# EAGLE board ControlModule-pan2 (EAGLE 7.2.0), part 1 of 9 (continued)
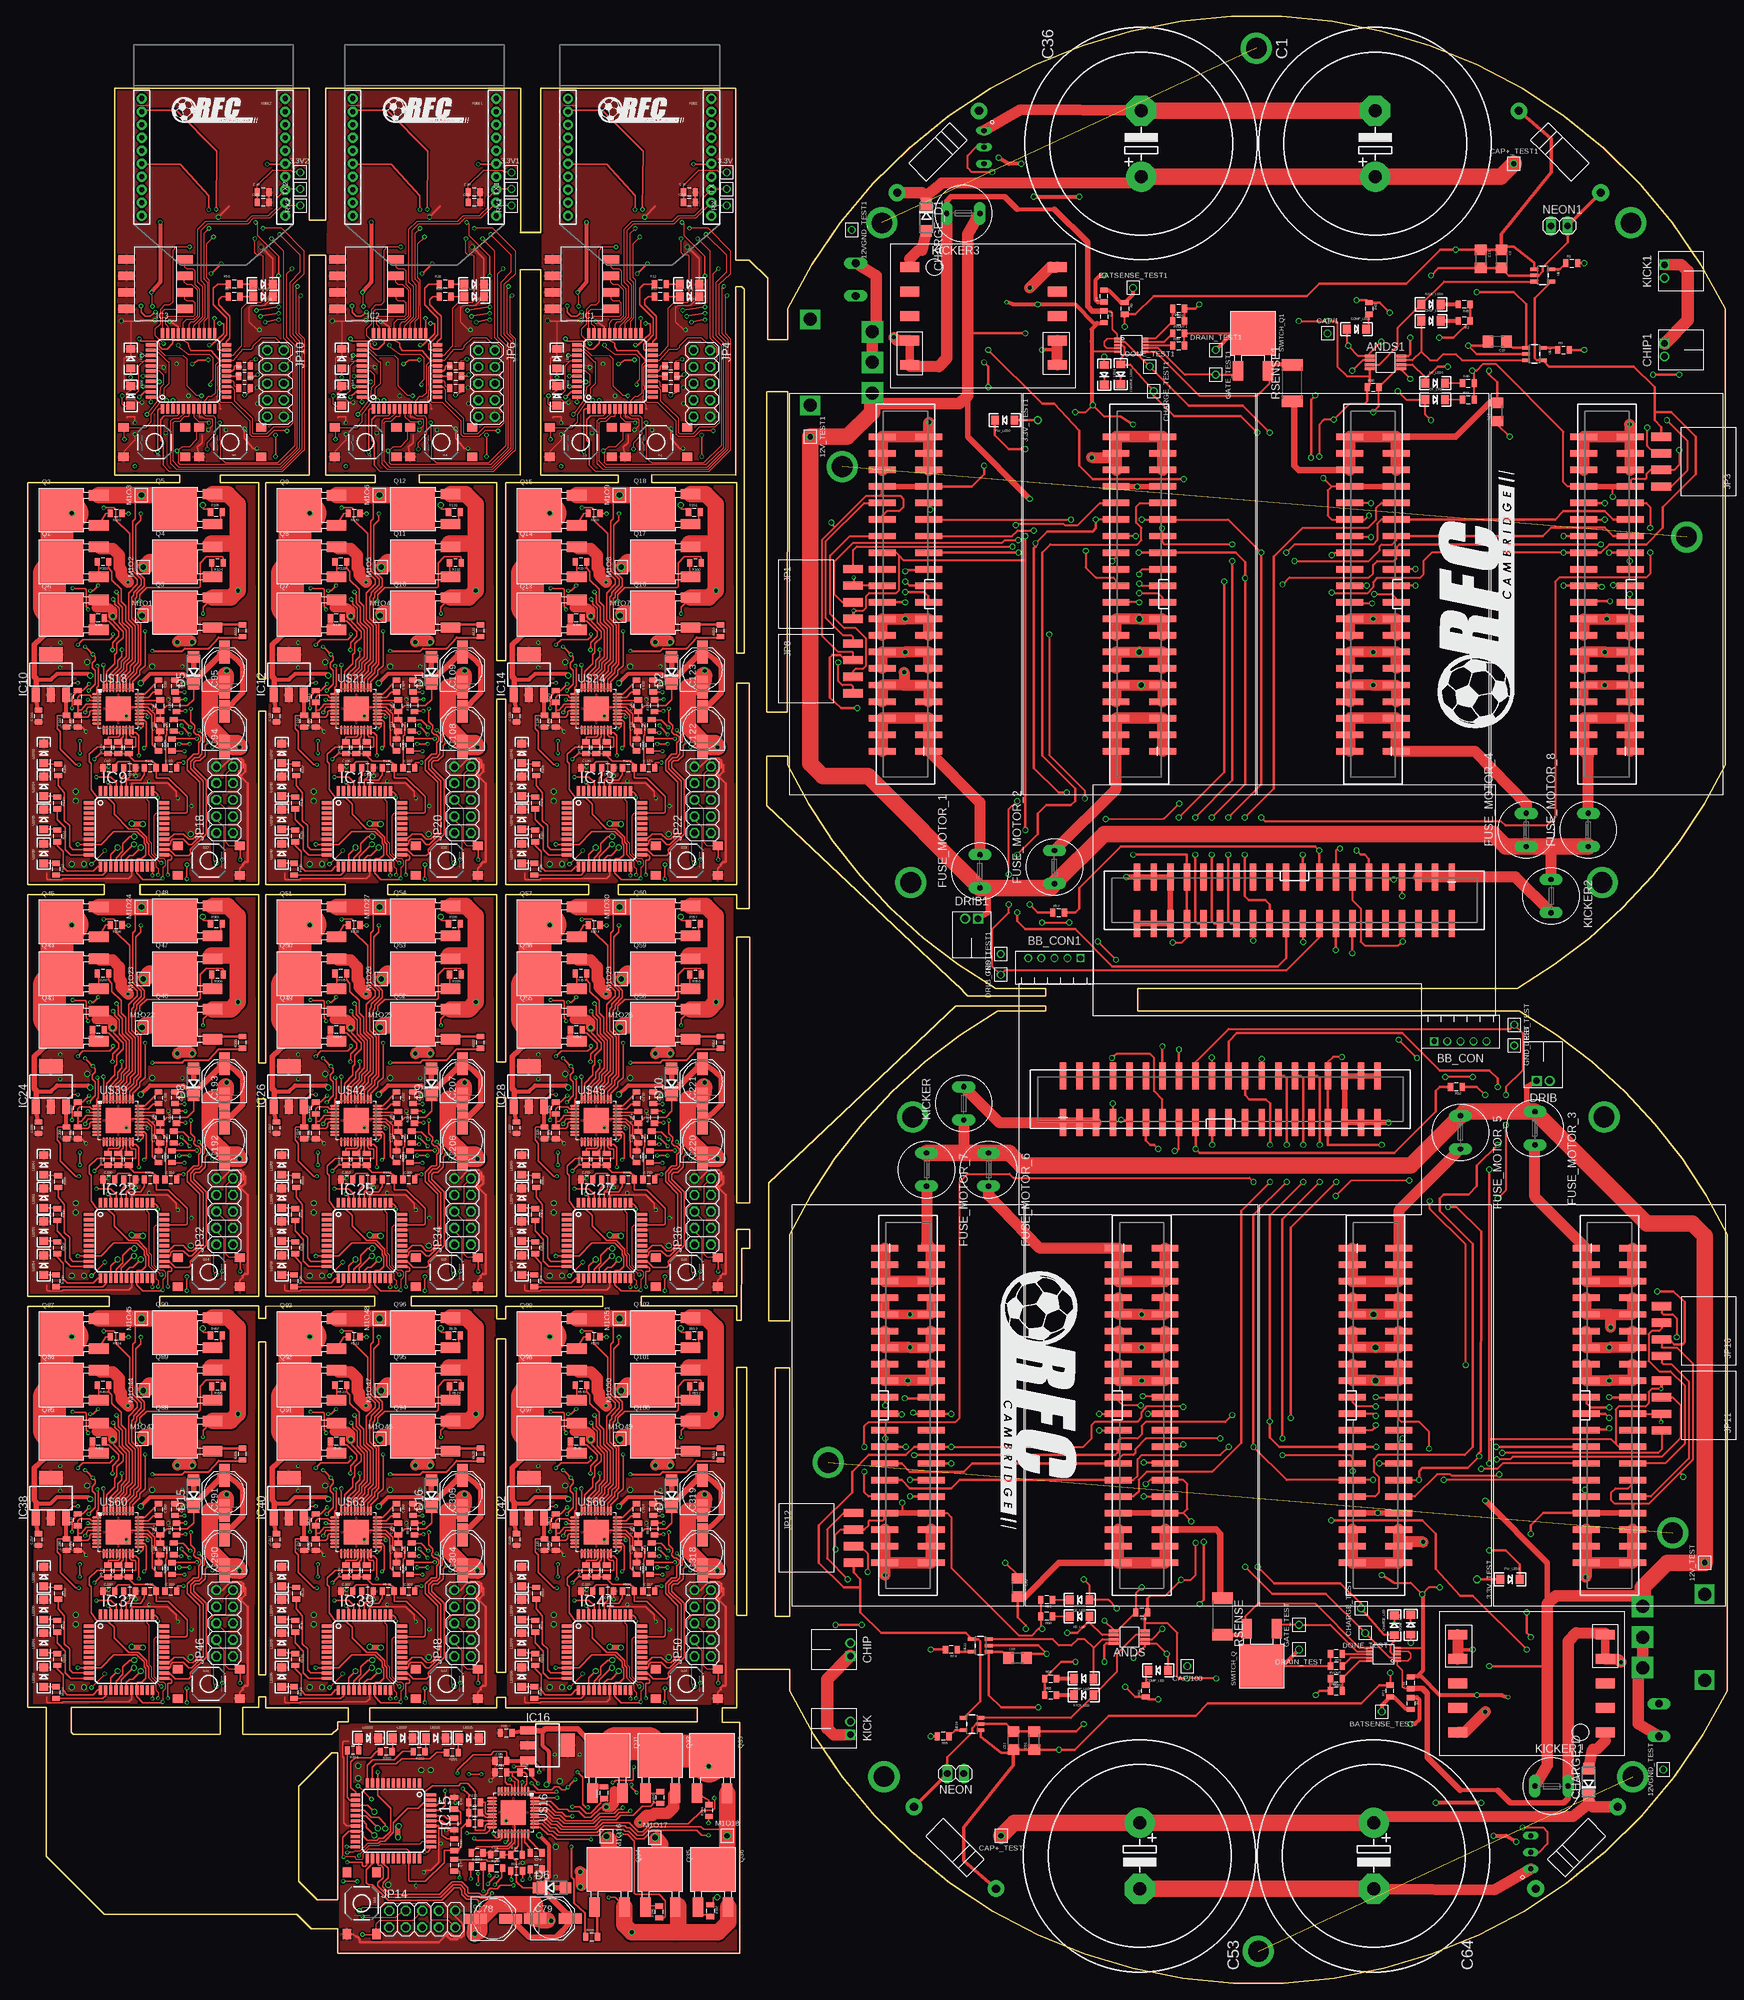
[diagram p0: board, top side]
## Placement (x,y rotation side) (continued)
COMP_LED  [LED-1206]  173.45,48.03 180 top
COMP_LED1  [LED-1206]  203.86,253.83 0 top
D1  DIODE-ZENERDO214AC  [DO214AC]  61.93,201.51 90 top
D2  DIODE-ZENERDO214AC  [DO214AC]  98.76,201.51 90 top
D5  DIODE-ZENERDO214AC  [DO214AC]  25.42,201.51 90 top
D6  DIODE-ZENERDO214AC  [DO214AC]  80.42,14.64 0 top
D8  DIODE-ZENERDO214AC  [DO214AC]  25.42,138.33 90 top
D9  DIODE-ZENERDO214AC  [DO214AC]  61.93,138.33 90 top
D10  DIODE-ZENERDO214AC  [DO214AC]  98.76,138.33 90 top
D15  DIODE-ZENERDO214AC  [DO214AC]  25.42,75.15 90 top
D16  DIODE-ZENERDO214AC  [DO214AC]  61.93,75.15 90 top
D17  DIODE-ZENERDO214AC  [DO214AC]  98.76,75.15 90 top
DONE_LED  [LED-1206]  212.18,55.01 90 top
DONE_LED1  [LED-1206]  165.13,246.85 270 top
DONE_TEST  TEST_PT  [TESTING_PT]  205.2,53.74 180 top
DONE_TEST1  TEST_PT  [TESTING_PT]  172.11,248.12 0 top
DRAIN_TEST  TEST_PT  [TESTING_PT]  195.04,51.2 180 top
DRAIN_TEST1  TEST_PT  [TESTING_PT]  182.27,250.66 0 top
DRIB  JST-22MM  [JST-2-2MM]  232.5,139.47 180 top
DRIB1  JST-22MM  [JST-2-2MM]  144.81,162.39 0 top
DRIB_TEST  TEST_PT  [TESTING_PT]  228.06,147.09 270 top
DRIB_TEST1  TEST_PT  [TESTING_PT]  149.25,154.77 90 top
DRIB_TRAN  [DPAK]  234.41,122.32 0 bottom
DRIB_TRAN1  [DPAK]  142.9,179.54 180 bottom
FUSE_MOTOR_1  [TR5]  146.08,170.65 90 top
FUSE_MOTOR_2  [TR5]  157.51,171.28 90 top
FUSE_MOTOR_3  [TR5]  231.23,131.21 270 top
FUSE_MOTOR_4  [TR5]  229.9,177 90 top
FUSE_MOTOR_5  [TR5]  219.8,130.58 270 top
FUSE_MOTOR_6  [TR5]  147.41,124.86 270 top
FUSE_MOTOR_7  [TR5]  137.89,124.86 270 top
FUSE_MOTOR_8  [TR5]  239.42,177 90 top
GATE_TEST  TEST_PT  [TESTING_PT]  195.04,55.01 90 top
GATE_TEST1  TEST_PT  [TESTING_PT]  182.27,246.85 270 top
GND_TEST  TEST_PT  [TESTING_PT]  228.06,143.91 270 top
GND_TEST1  TEST_PT  [TESTING_PT]  149.25,157.95 90 top
IC1  XMEGA16A4A  [TQFP44]  90.07,247.42 90 top
IC2  XMEGA16A4A  [TQFP44]  57.05,247.42 90 top
IC3  XMEGA16A4A  [TQFP44]  24.67,247.42 90 top
IC9  XMEGA16A4A  [TQFP44]  15.13,177.17 0 top
IC10  3.3V REG  [SOT223]  3.54,200.82 0 top
IC11  XMEGA16A4A  [TQFP44]  51.64,177.17 0 top
IC12  3.3V REG  [SOT223]  40.05,200.82 0 top
IC13  XMEGA16A4A  [TQFP44]  88.47,177.17 0 top
IC14  3.3V REG  [SOT223]  76.88,200.82 0 top
IC15  XMEGA16A4A  [TQFP44]  56.08,24.93 270 top
IC16  3.3V REG  [SOT223]  79.73,36.52 270 top
IC23  XMEGA16A4A  [TQFP44]  15.13,113.99 0 top
IC24  3.3V REG  [SOT223]  3.54,137.64 0 top
IC25  XMEGA16A4A  [TQFP44]  51.64,113.99 0 top
IC26  3.3V REG  [SOT223]  40.05,137.64 0 top
IC27  XMEGA16A4A  [TQFP44]  88.47,113.99 0 top
IC28  3.3V REG  [SOT223]  76.88,137.64 0 top
IC37  XMEGA16A4A  [TQFP44]  15.13,50.8 0 top
IC38  3.3V REG  [SOT223]  3.54,74.46 0 top
IC39  XMEGA16A4A  [TQFP44]  51.64,50.8 0 top
IC40  3.3V REG  [SOT223]  40.05,74.46 0 top
IC41  XMEGA16A4A  [TQFP44]  88.47,50.8 0 top
IC42  3.3V REG  [SOT223]  76.88,74.46 0 top
JP1  [1X04_SMD_RA_FEMALE]  119.41,213.19 270 top
JP2  M20X2SHROUDED_SMT  [2X20_SHROUDED_SMT]  93.88,261.39 0 bottom
JP3  [1X04_SMD_RA_FEMALE]  257.84,233.51 90 top
JP4  DEBUG  [2X05]  103.41,245.51 270 top
JP5  M20X2SHROUDED_SMT  [2X20_SHROUDED_SMT]  60.86,261.39 0 bottom
JP6  DEBUG  [2X05]  70.39,245.51 270 top
JP7  [1X04_SMD_RA_FEMALE]  255.93,193.51 270 bottom
JP8  [1X04_SMD_RA_FEMALE]  119.41,201.76 270 top
JP9  M20X2SHROUDED_SMT  [2X20_SHROUDED_SMT]  28.48,261.39 0 bottom
JP10  DEBUG  [2X05]  38,245.51 270 top
JP11  [1X04_SMD_RA_FEMALE]  257.9,88.67 90 top
JP12  [1X04_SMD_RA_FEMALE]  119.47,68.35 270 top
JP13  M20X2SHROUDED_SMT  [2X20_SHROUDED_SMT]  78.46,23.34 90 bottom
JP14  DEBUG  [2X05]  60.52,9.85 0 top
JP15  [1X04_SMD_RA_FEMALE]  121.38,108.35 90 bottom
JP16  [1X04_SMD_RA_FEMALE]  257.9,100.1 90 top
JP17  M20X2SHROUDED_SMT  [2X20_SHROUDED_SMT]  16.72,199.55 0 bottom
JP18  DEBUG  [2X05]  30.21,181.61 90 top
JP19  M20X2SHROUDED_SMT  [2X20_SHROUDED_SMT]  53.23,199.55 0 bottom
JP20  DEBUG  [2X05]  66.72,181.61 90 top
JP21  M20X2SHROUDED_SMT  [2X20_SHROUDED_SMT]  90.06,199.55 0 bottom
JP22  DEBUG  [2X05]  103.55,181.61 90 top
JP31  M20X2SHROUDED_SMT  [2X20_SHROUDED_SMT]  16.72,136.37 0 bottom
JP32  DEBUG  [2X05]  30.21,118.43 90 top
JP33  M20X2SHROUDED_SMT  [2X20_SHROUDED_SMT]  53.23,136.37 0 bottom
JP34  DEBUG  [2X05]  66.72,118.43 90 top
JP35  M20X2SHROUDED_SMT  [2X20_SHROUDED_SMT]  90.06,136.37 0 bottom
JP36  DEBUG  [2X05]  103.55,118.43 90 top
JP45  M20X2SHROUDED_SMT  [2X20_SHROUDED_SMT]  16.72,73.19 0 bottom
JP46  DEBUG  [2X05]  30.21,55.25 90 top
JP47  M20X2SHROUDED_SMT  [2X20_SHROUDED_SMT]  53.23,73.19 0 bottom
JP48  DEBUG  [2X05]  66.72,55.25 90 top
JP49  M20X2SHROUDED_SMT  [2X20_SHROUDED_SMT]  90.06,73.19 0 bottom
JP50  DEBUG  [2X05]  103.55,55.25 90 top
KE_LED  [LED-1206]  161.38,56.28 180 top
KE_LED1  [LED-1206]  215.93,245.58 0 top
KICK  JST-22MM  [JST-2-2MM]  125.19,39.14 270 top
KICK1  JST-22MM  [JST-2-2MM]  252.12,262.72 90 top
KICK_FLY  DIODE-ZENERDO214AB  [DO214AB]  139.16,44.85 180 bottom
KICK_FLY1  DIODE-ZENERDO214AB  [DO214AB]  238.15,257.01 0 bottom
KICK_LED  [LED-1206]  162.02,44.22 180 top
KICK_LED1  [LED-1206]  215.29,257.64 0 top
KICK_Q  [DPAK]  133.44,42.95 270 bottom
KICK_Q1  [DPAK]  132.17,56.92 270 bottom
KICK_Q2  [DPAK]  243.87,258.91 90 bottom
KICK_Q3  [DPAK]  245.14,244.94 90 bottom
KICKER  [TR5]  143.6,135.02 90 top
KICKER1  [TR5]  233.77,30.25 0 top
KICKER2  [TR5]  233.71,166.84 270 top
KICKER3  [TR5]  143.54,271.61 180 top
LED1  [LED-1206]  81.18,243.61 90 top
LED2  [LED-1206]  101.5,260.75 0 top
LED3  [LED-1206]  101.5,258.85 0 top
LED4  [LED-1206]  48.16,243.61 90 top
LED5  [LED-1206]  68.48,260.75 0 top
LED6  [LED-1206]  68.48,258.85 0 top
LED7  [LED-1206]  48.16,249.32 90 top
LED8  [LED-1206]  15.78,243.61 90 top
LED9  [LED-1206]  81.18,249.32 90 top
LED10  [LED-1206]  36.1,260.75 0 top
LED11  [LED-1206]  36.1,258.85 0 top
LED12  [LED-1206]  15.78,249.32 90 top
LED25  [LED-1206]  67.67,37.63 0 top
LED26  [LED-1206]  62.59,37.63 0 top
LED27  [LED-1206]  57.51,37.63 0 top
LED28  [LED-1206]  52.27,37.63 0 top
LED33  [LED-1206]  2.43,188.76 90 top
LED34  [LED-1206]  2.43,183.68 90 top
LED35  [LED-1206]  2.43,178.6 90 top
LED36  [LED-1206]  2.43,173.36 90 top
LED37  [LED-1206]  38.94,188.76 90 top
LED38  [LED-1206]  38.94,183.68 90 top
LED39  [LED-1206]  38.94,178.6 90 top
LED40  [LED-1206]  38.94,173.36 90 top
LED41  [LED-1206]  75.77,188.76 90 top
LED42  [LED-1206]  75.77,183.68 90 top
LED43  [LED-1206]  75.77,178.6 90 top
LED44  [LED-1206]  75.77,173.36 90 top
LED61  [LED-1206]  2.43,125.57 90 top
LED62  [LED-1206]  2.43,120.49 90 top
LED63  [LED-1206]  2.43,115.41 90 top
LED64  [LED-1206]  2.43,110.18 90 top
LED65  [LED-1206]  38.94,125.57 90 top
LED66  [LED-1206]  38.94,120.49 90 top
LED67  [LED-1206]  38.94,115.41 90 top
LED68  [LED-1206]  38.94,110.18 90 top
LED69  [LED-1206]  75.77,125.57 90 top
LED70  [LED-1206]  75.77,120.49 90 top
LED71  [LED-1206]  75.77,115.41 90 top
LED72  [LED-1206]  75.77,110.18 90 top
LED89  [LED-1206]  2.43,62.39 90 top
LED90  [LED-1206]  2.43,57.31 90 top
LED91  [LED-1206]  2.43,52.23 90 top
LED92  [LED-1206]  2.43,46.99 90 top
LED93  [LED-1206]  38.94,62.39 90 top
LED94  [LED-1206]  38.94,57.31 90 top
LED95  [LED-1206]  38.94,52.23 90 top
LED96  [LED-1206]  38.94,46.99 90 top
LED97  [LED-1206]  75.77,62.39 90 top
LED98  [LED-1206]  75.77,57.31 90 top
LED99  [LED-1206]  75.77,52.23 90 top
LED100  [LED-1206]  75.77,46.99 90 top
M1O1  TEST_PT  [TESTING_PT]  17.51,209.87 0 top
M1O2  TEST_PT  [TESTING_PT]  17.71,217.31 90 top
M1O3  TEST_PT  [TESTING_PT]  17.43,228.37 90 top
M1O4  TEST_PT  [TESTING_PT]  54.02,209.87 0 top
M1O5  TEST_PT  [TESTING_PT]  54.22,217.31 90 top
M1O6  TEST_PT  [TESTING_PT]  53.94,228.37 90 top
M1O7  TEST_PT  [TESTING_PT]  90.85,209.87 0 top
M1O8  TEST_PT  [TESTING_PT]  91.05,217.31 90 top
M1O9  TEST_PT  [TESTING_PT]  90.77,228.37 90 top
M1O16  TEST_PT  [TESTING_PT]  88.78,22.55 270 top
M1O17  TEST_PT  [TESTING_PT]  96.22,22.35 0 top
M1O18  TEST_PT  [TESTING_PT]  107.28,22.63 0 top
M1O22  TEST_PT  [TESTING_PT]  17.51,146.69 0 top
M1O23  TEST_PT  [TESTING_PT]  17.71,154.13 90 top
M1O24  TEST_PT  [TESTING_PT]  17.43,165.18 90 top
M1O25  TEST_PT  [TESTING_PT]  54.02,146.69 0 top
M1O26  TEST_PT  [TESTING_PT]  54.22,154.13 90 top
M1O27  TEST_PT  [TESTING_PT]  53.94,165.18 90 top
M1O28  TEST_PT  [TESTING_PT]  90.85,146.69 0 top
M1O29  TEST_PT  [TESTING_PT]  91.05,154.13 90 top
M1O30  TEST_PT  [TESTING_PT]  90.77,165.18 90 top
M1O43  TEST_PT  [TESTING_PT]  17.51,83.51 0 top
M1O44  TEST_PT  [TESTING_PT]  17.71,90.95 90 top
M1O45  TEST_PT  [TESTING_PT]  17.43,102 90 top
M1O46  TEST_PT  [TESTING_PT]  54.02,83.51 0 top
M1O47  TEST_PT  [TESTING_PT]  54.22,90.95 90 top
M1O48  TEST_PT  [TESTING_PT]  53.94,102 90 top
M1O49  TEST_PT  [TESTING_PT]  90.85,83.51 0 top
M1O50  TEST_PT  [TESTING_PT]  91.05,90.95 90 top
M1O51  TEST_PT  [TESTING_PT]  90.77,102 90 top
MOTOR1  M20X2SHROUDED_SMT  [2X20_SHROUDED_SMT]  242.66,88.67 0 top
MOTOR2  M20X2SHROUDED_SMT  [2X20_SHROUDED_SMT]  206.78,88.67 0 top
MOTOR3  M20X2SHROUDED_SMT  [2X20_SHROUDED_SMT]  170.91,88.67 0 top
MOTOR4  M20X2SHROUDED_SMT  [2X20_SHROUDED_SMT]  135.03,88.67 0 top
MOTOR5  M20X2SHROUDED_SMT  [2X20_SHROUDED_SMT]  134.65,213.19 180 top
MOTOR6  M20X2SHROUDED_SMT  [2X20_SHROUDED_SMT]  170.53,213.19 180 top
MOTOR7  M20X2SHROUDED_SMT  [2X20_SHROUDED_SMT]  206.4,213.19 180 top
MOTOR8  M20X2SHROUDED_SMT  [2X20_SHROUDED_SMT]  242.28,213.19 180 top
NEON  [1X02]  142.33,32.15 180 top
NEON1  [1X02]  234.98,269.71 0 top
ON/OFF  SPDT-SWITCH  [CK_SWITCH]  247.74,53.11 270 bottom
ON/OFF1  SPDT-SWITCH  [CK_SWITCH]  129.57,248.75 90 bottom
PW_LED1  [LED-1206]  227.42,62 0 top
PW_LED2  [LED-1206]  149.89,239.86 180 top
Q1  [DPAK]  5.13,218.13 0 top
Q2  [DPAK]  5.13,226.06 0 top
Q3  [DPAK]  22.59,210.35 0 top
Q4  [DPAK]  22.59,218.13 0 top
Q5  [DPAK]  22.59,226.22 0 top
Q6  [DPAK]  5.13,210.03 0 top
Q7  [DPAK]  41.64,210.03 0 top
Q8  [DPAK]  41.64,218.13 0 top
Q9  [DPAK]  41.64,226.06 0 top
Q10  [DPAK]  59.1,210.35 0 top
Q11  [DPAK]  59.1,218.13 0 top
Q12  [DPAK]  59.1,226.22 0 top
Q13  [DPAK]  78.47,210.03 0 top
Q14  [DPAK]  78.47,218.13 0 top
Q15  [DPAK]  78.47,226.06 0 top
Q16  [DPAK]  95.93,210.35 0 top
Q17  [DPAK]  95.93,218.13 0 top
Q18  [DPAK]  95.93,226.22 0 top
Q31  [DPAK]  88.94,34.93 270 top
Q32  [DPAK]  97.04,34.93 270 top
Q33  [DPAK]  104.97,34.93 270 top
Q34  [DPAK]  89.26,17.47 270 top
Q35  [DPAK]  97.04,17.47 270 top
Q36  [DPAK]  105.13,17.47 270 top
Q43  [DPAK]  5.13,146.85 0 top
Q44  [DPAK]  5.13,154.94 0 top
Q45  [DPAK]  5.13,162.88 0 top
Q46  [DPAK]  22.59,147.16 0 top
Q47  [DPAK]  22.59,154.94 0 top
Q48  [DPAK]  22.59,163.04 0 top
Q49  [DPAK]  41.64,146.85 0 top
Q50  [DPAK]  41.64,154.94 0 top
Q51  [DPAK]  41.64,162.88 0 top
Q52  [DPAK]  59.1,147.16 0 top
Q53  [DPAK]  59.1,154.94 0 top
Q54  [DPAK]  59.1,163.04 0 top
Q55  [DPAK]  78.47,146.85 0 top
Q56  [DPAK]  78.47,154.94 0 top
Q57  [DPAK]  78.47,162.88 0 top
Q58  [DPAK]  95.93,147.16 0 top
Q59  [DPAK]  95.93,154.94 0 top
Q60  [DPAK]  95.93,163.04 0 top
Q85  [DPAK]  5.13,83.66 0 top
Q86  [DPAK]  5.13,91.76 0 top
Q87  [DPAK]  5.13,99.7 0 top
Q88  [DPAK]  22.59,83.98 0 top
Q89  [DPAK]  22.59,91.76 0 top
Q90  [DPAK]  22.59,99.86 0 top
Q91  [DPAK]  41.64,83.66 0 top
Q92  [DPAK]  41.64,91.76 0 top
Q93  [DPAK]  41.64,99.7 0 top
Q94  [DPAK]  59.1,83.98 0 top
Q95  [DPAK]  59.1,91.76 0 top
Q96  [DPAK]  59.1,99.86 0 top
Q97  [DPAK]  78.47,83.66 0 top
Q98  [DPAK]  78.47,91.76 0 top
Q99  [DPAK]  78.47,99.7 0 top
Q100  [DPAK]  95.93,83.98 0 top
Q101  [DPAK]  95.93,91.76 0 top
Q102  [DPAK]  95.93,99.86 0 top
R1  100  [0805]  236.88,263.99 0 top
R2  1k  [0805]  220.37,255.1 180 top
R3  1k  [0805]  167.67,243.04 270 bottom
R4  1k  [0805]  165.13,243.04 270 bottom
R5  10k  [0805]  81.82,238.53 0 bottom
R6  80k  [0805]  168.3,257.01 270 top
R7  20k  [0805]  165.13,258.91 90 top
R8  20  [0805]  155.6,160.49 270 bottom
R9  100  [0805]  235.61,250.66 0 top
R10  1k  [0805]  81.18,247.42 180 bottom
R11  1k  [0805]  81.18,244.88 180 bottom
R12  1k  [0805]  97.06,260.75 180 top
R13  100  [0805]  160.05,160.49 270 bottom
R14  1M  [0805]  210.21,263.99 90 bottom
R15  10K  [0805]  210.21,260.18 90 bottom
R16  1k  [0805]  150.52,234.78 270 bottom
R17  1k  [0805]  97.06,258.85 180 top
R18  4.7k  [0805]  98.64,246.62 0 top
R19  4.7k  [0805]  98.64,244.8 0 top
R20  4.7k  [0805]  98.64,248.21 0 top
R21  4.7k  [0805]  88.8,233.92 0 bottom
R22  10k  [0805]  82.45,234.08 180 bottom
R23  80.6k  [0805]  86.26,244.69 0 bottom
R24  20k  [0805]  86.26,247.17 180 bottom
R25  10k  [0805]  48.8,238.53 0 bottom
R26  1k  [0805]  48.16,247.42 180 bottom
R27  1k  [0805]  48.16,244.88 180 bottom
R28  1k  [0805]  64.04,260.75 180 top
R29  1k  [0805]  64.04,258.85 180 top
R30  4.7k  [0805]  65.62,246.62 0 top
R31  4.7k  [0805]  65.62,244.8 0 top
R32  4.7k  [0805]  65.62,248.21 0 top
R33  4.7k  [0805]  55.78,233.92 0 bottom
R34  10k  [0805]  49.43,234.08 180 bottom
R35  80.6k  [0805]  53.24,244.69 0 bottom
R36  20k  [0805]  53.24,247.17 180 bottom
R37  536k  [0805]  232.44,265.9 270 bottom
R38  10k  [0805]  206.4,244.94 0 top
R39  43k  [0805]  176.56,251.29 0 top
R40  1k  [0805]  221.01,245.58 0 top
R41  1k  [0805]  221.01,243.04 0 top
R42  1k  [0805]  205.77,257.01 270 top
R43  100k  [0805]  201.32,249.39 0 bottom
R44  3k  [0805]  199.42,247.48 0 bottom
R45  1k  [0805]  220.37,257.64 180 top
R46  250k  [0805]  149.89,277.33 0 bottom
R47  2.5k  [0805]  149.89,282.41 0 bottom
R48  1k  [0805]  149.89,278.91 180 bottom
R49  200  [0805]  149.89,275.74 180 bottom
R50  1.5k  [0805]  147.35,265.9 180 bottom
R51  300  [0805]  146.08,253.83 90 bottom
R52  1k  [0805]  158.14,164.3 0 top
R53  10k  [0805]  16.41,238.53 0 bottom
R54  1k  [0805]  15.78,247.42 180 bottom
R55  1k  [0805]  15.78,244.88 180 bottom
R56  1k  [0805]  31.65,260.75 180 top
R57  1k  [0805]  31.65,258.85 180 top
R58  4.7k  [0805]  33.24,246.62 0 top
R59  4.7k  [0805]  33.24,244.8 0 top
R60  4.7k  [0805]  33.24,248.21 0 top
R61  4.7k  [0805]  23.4,233.92 0 bottom
R62  10k  [0805]  17.05,234.08 180 bottom
R63  80.6k  [0805]  20.86,244.69 0 bottom
R64  20k  [0805]  20.85,247.17 180 bottom
R65  100  [0805]  140.43,37.87 180 top
R66  1k  [0805]  156.94,46.76 0 top
R67  1k  [0805]  209.64,58.82 90 bottom
R68  1k  [0805]  212.18,58.82 90 bottom
R69  1M  [0805]  167.1,37.87 270 bottom
R70  10K  [0805]  167.1,41.68 270 bottom
R71  80k  [0805]  209.01,44.85 90 top
R72  20k  [0805]  212.18,42.95 270 top
R73  20  [0805]  221.71,141.37 90 bottom
R74  100  [0805]  141.7,51.2 180 top
R75  100  [0805]  217.26,141.37 90 bottom
R76  1k  [0805]  226.79,67.08 90 bottom
R77  536k  [0805]  144.87,35.96 90 bottom
R78  10k  [0805]  170.91,56.92 180 top
R79  43k  [0805]  200.75,50.57 180 top
R80  1k  [0805]  156.3,56.28 180 top
R81  1k  [0805]  156.3,58.82 180 top
R82  1k  [0805]  171.54,44.85 90 top
R83  100k  [0805]  175.99,52.47 180 bottom
R84  3k  [0805]  177.89,54.38 180 bottom
R85  1k  [0805]  156.94,44.22 0 top
R86  250k  [0805]  227.42,24.53 180 bottom
R87  2.5k  [0805]  227.42,19.45 180 bottom
R88  1k  [0805]  227.42,22.95 0 bottom
R89  200  [0805]  227.42,26.12 0 bottom
R90  1.5k  [0805]  229.96,35.96 0 bottom
R91  300  [0805]  231.23,48.03 270 bottom
R92  1k  [0805]  219.17,137.56 180 top
R97  4.7k  [0805]  24.97,185.42 0 bottom
R98  4.7k  [0805]  24.97,183.52 0 bottom
R99  4.7k  [0805]  24.97,181.61 0 bottom
R100  240  [0805]  10.81,209.51 180 top
R101  240  [0805]  11.53,218.14 180 top
R102  240  [0805]  13.54,225.59 180 top
R103  240  [0805]  32.94,207.58 90 top
R104  240  [0805]  29.1,217.97 180 top
R105  240  [0805]  28.91,225.77 0 top
R106  1k  [0805]  22.38,193.04 90 top
R107  1k  [0805]  22.11,190.03 90 top
R108  10k  [0805]  18.78,186.53 0 top
R109  1k  [0805]  4.65,186.22 270 top
R110  1k  [0805]  4.49,181.14 270 top
R111  1k  [0805]  4.49,176.06 270 top
R112  1k  [0805]  4.33,170.98 270 top
R113  30k  [0805]  13.87,189.62 90 top
R114  10k  [0805]  8.46,215.27 180 bottom
R115  10k  [0805]  8.46,212.73 180 bottom
R116  10k  [0805]  8.46,217.49 180 bottom
R117  10k  [0805]  26.82,171.98 0 bottom
R118  30k  [0805]  15.47,189.62 90 top
R119  15k  [0805]  12.3,189.62 90 top
R120  1k  [0805]  22.81,196.07 90 top
R121  4.7k  [0805]  24.97,179.71 0 bottom
R122  2K  [0805]  7.67,193.68 90 top
R123  2K  [0805]  7.67,197.49 90 top
R124  0.05  [R2512]  31.77,208.39 90 bottom
R125  4.7k  [0805]  61.48,185.42 0 bottom
R126  4.7k  [0805]  61.48,183.52 0 bottom
R127  4.7k  [0805]  61.48,181.61 0 bottom
R128  240  [0805]  47.32,209.51 180 top
R129  240  [0805]  48.04,218.14 180 top
R130  240  [0805]  50.05,225.59 180 top
R131  240  [0805]  69.46,207.58 90 top
R132  240  [0805]  65.61,217.97 180 top
R133  240  [0805]  65.43,225.77 0 top
R134  1k  [0805]  58.89,193.04 90 top
R135  1k  [0805]  58.63,190.03 90 top
R136  10k  [0805]  55.29,186.53 0 top
R137  1k  [0805]  41.16,186.22 270 top
R138  1k  [0805]  41,181.14 270 top
R139  1k  [0805]  41,176.06 270 top
R140  1k  [0805]  40.85,170.98 270 top
R141  30k  [0805]  50.38,189.62 90 top
R142  10k  [0805]  44.97,215.27 180 bottom
R143  10k  [0805]  44.97,212.73 180 bottom
R144  10k  [0805]  44.97,217.49 180 bottom
R145  10k  [0805]  63.33,171.98 0 bottom
R146  30k  [0805]  51.98,189.62 90 top
R147  15k  [0805]  48.82,189.62 90 top
R148  1k  [0805]  59.32,196.07 90 top
R149  4.7k  [0805]  61.48,179.71 0 bottom
R150  2K  [0805]  44.18,193.68 90 top
R151  2K  [0805]  44.18,197.49 90 top
R152  0.05  [R2512]  68.28,208.39 90 bottom
R153  4.7k  [0805]  98.31,185.42 0 bottom
R154  4.7k  [0805]  98.31,183.52 0 bottom
R155  4.7k  [0805]  98.31,181.61 0 bottom
R156  240  [0805]  84.15,209.51 180 top
R157  240  [0805]  84.87,218.14 180 top
R158  240  [0805]  86.88,225.59 180 top
R159  240  [0805]  106.29,207.58 90 top
R160  240  [0805]  102.44,217.97 180 top
R161  240  [0805]  102.26,225.77 0 top
R162  1k  [0805]  95.72,193.04 90 top
R163  1k  [0805]  95.46,190.03 90 top
R164  10k  [0805]  92.12,186.53 0 top
R165  1k  [0805]  77.99,186.22 270 top
R166  1k  [0805]  77.83,181.14 270 top
R167  1k  [0805]  77.83,176.06 270 top
R168  1k  [0805]  77.68,170.98 270 top
R169  30k  [0805]  87.21,189.62 90 top
R170  10k  [0805]  81.8,215.27 180 bottom
R171  10k  [0805]  81.8,212.73 180 bottom
R172  10k  [0805]  81.8,217.49 180 bottom
R173  10k  [0805]  100.16,171.98 0 bottom
R174  30k  [0805]  88.81,189.62 90 top
R175  15k  [0805]  85.65,189.62 90 top
R176  1k  [0805]  96.15,196.07 90 top
R177  4.7k  [0805]  98.31,179.71 0 bottom
R178  2K  [0805]  81.01,193.68 90 top
R179  2K  [0805]  81.01,197.49 90 top
R180  0.05  [R2512]  105.11,208.39 90 bottom
R189  4.7k  [0805]  64.33,15.08 90 bottom
R190  4.7k  [0805]  62.43,15.08 90 bottom
R191  4.7k  [0805]  60.52,15.08 90 bottom
R192  240  [0805]  88.42,29.25 90 top
R193  240  [0805]  97.05,28.53 90 top
R194  240  [0805]  104.5,26.51 90 top
R195  240  [0805]  86.49,7.11 0 top
R196  240  [0805]  96.88,10.96 90 top
R197  240  [0805]  104.68,11.14 270 top
R198  1k  [0805]  71.95,17.68 0 top
R199  1k  [0805]  68.94,17.94 0 top
R200  10k  [0805]  65.45,21.28 270 top
R201  1k  [0805]  65.13,35.4 180 top
R202  1k  [0805]  60.05,35.56 180 top
R203  1k  [0805]  54.97,35.56 180 top
R204  1k  [0805]  49.89,35.72 180 top
R205  30k  [0805]  68.54,26.19 0 top
R206  10k  [0805]  94.18,31.59 270 bottom
R207  10k  [0805]  91.64,31.59 270 bottom
R208  10k  [0805]  96.4,31.59 270 bottom
R209  10k  [0805]  50.89,13.24 90 bottom
R210  30k  [0805]  68.54,24.59 0 top
R211  15k  [0805]  68.54,27.75 0 top
R212  1k  [0805]  74.98,17.25 0 top
R213  4.7k  [0805]  58.62,15.08 90 bottom
R214  2K  [0805]  72.59,32.39 0 top
R215  2K  [0805]  76.4,32.39 0 top
R216  0.05  [R2512]  87.3,8.29 180 bottom
R293  4.7k  [0805]  24.97,122.24 0 bottom
R294  4.7k  [0805]  24.97,120.34 0 bottom
R295  4.7k  [0805]  24.97,118.43 0 bottom
R296  240  [0805]  10.81,146.32 180 top
R297  240  [0805]  11.53,154.96 180 top
R298  240  [0805]  13.54,162.4 180 top
R299  240  [0805]  32.94,144.4 90 top
R300  240  [0805]  29.1,154.78 180 top
R301  240  [0805]  28.91,162.59 0 top
R302  1k  [0805]  22.38,129.86 90 top
R303  1k  [0805]  22.11,126.84 90 top
R304  10k  [0805]  18.78,123.35 0 top
R305  1k  [0805]  4.65,123.03 270 top
R306  1k  [0805]  4.49,117.95 270 top
R307  1k  [0805]  4.49,112.87 270 top
R308  1k  [0805]  4.33,107.79 270 top
R309  30k  [0805]  13.87,126.44 90 top
R310  10k  [0805]  8.46,152.09 180 bottom
R311  10k  [0805]  8.46,149.55 180 bottom
R312  10k  [0805]  8.46,154.31 180 bottom
R313  10k  [0805]  26.82,108.8 0 bottom
R314  30k  [0805]  15.47,126.44 90 top
R315  15k  [0805]  12.3,126.44 90 top
R316  1k  [0805]  22.81,132.89 90 top
R317  4.7k  [0805]  24.97,116.53 0 bottom
R318  2K  [0805]  7.67,130.5 90 top
R319  2K  [0805]  7.67,134.31 90 top
R320  0.05  [R2512]  31.77,145.21 90 bottom
R321  4.7k  [0805]  61.48,122.24 0 bottom
R322  4.7k  [0805]  61.48,120.34 0 bottom
R323  4.7k  [0805]  61.48,118.43 0 bottom
R324  240  [0805]  47.32,146.32 180 top
R325  240  [0805]  48.04,154.96 180 top
R326  240  [0805]  50.05,162.4 180 top
R327  240  [0805]  69.46,144.4 90 top
R328  240  [0805]  65.61,154.78 180 top
R329  240  [0805]  65.43,162.59 0 top
R330  1k  [0805]  58.89,129.86 90 top
R331  1k  [0805]  58.63,126.84 90 top
R332  10k  [0805]  55.29,123.35 0 top
R333  1k  [0805]  41.16,123.03 270 top
R334  1k  [0805]  41,117.95 270 top
R335  1k  [0805]  41,112.87 270 top
R336  1k  [0805]  40.85,107.79 270 top
R337  30k  [0805]  50.38,126.44 90 top
R338  10k  [0805]  44.97,152.09 180 bottom
R339  10k  [0805]  44.97,149.55 180 bottom
R340  10k  [0805]  44.97,154.31 180 bottom
R341  10k  [0805]  63.33,108.8 0 bottom
R342  30k  [0805]  51.98,126.44 90 top
R343  15k  [0805]  48.82,126.44 90 top
R344  1k  [0805]  59.32,132.89 90 top
R345  4.7k  [0805]  61.48,116.53 0 bottom
R346  2K  [0805]  44.18,130.5 90 top
R347  2K  [0805]  44.18,134.31 90 top
R348  0.05  [R2512]  68.28,145.21 90 bottom
R349  4.7k  [0805]  98.31,122.24 0 bottom
R350  4.7k  [0805]  98.31,120.34 0 bottom
R351  4.7k  [0805]  98.31,118.43 0 bottom
R352  240  [0805]  84.15,146.32 180 top
R353  240  [0805]  84.87,154.96 180 top
R354  240  [0805]  86.88,162.4 180 top
R355  240  [0805]  106.29,144.4 90 top
R356  240  [0805]  102.44,154.78 180 top
R357  240  [0805]  102.26,162.59 0 top
R358  1k  [0805]  95.72,129.86 90 top
R359  1k  [0805]  95.46,126.84 90 top
R360  10k  [0805]  92.12,123.35 0 top
R361  1k  [0805]  77.99,123.03 270 top
R362  1k  [0805]  77.83,117.95 270 top
R363  1k  [0805]  77.83,112.87 270 top
R364  1k  [0805]  77.68,107.79 270 top
R365  30k  [0805]  87.21,126.44 90 top
R366  10k  [0805]  81.8,152.09 180 bottom
R367  10k  [0805]  81.8,149.55 180 bottom
R368  10k  [0805]  81.8,154.31 180 bottom
R369  10k  [0805]  100.16,108.8 0 bottom
R370  30k  [0805]  88.81,126.44 90 top
R371  15k  [0805]  85.65,126.44 90 top
R372  1k  [0805]  96.15,132.89 90 top
R373  4.7k  [0805]  98.31,116.53 0 bottom
R374  2K  [0805]  81.01,130.5 90 top
R375  2K  [0805]  81.01,134.31 90 top
R376  0.05  [R2512]  105.11,145.21 90 bottom
R489  4.7k  [0805]  24.97,59.06 0 bottom
R490  4.7k  [0805]  24.97,57.15 0 bottom
R491  4.7k  [0805]  24.97,55.25 0 bottom
R492  240  [0805]  10.81,83.14 180 top
R493  240  [0805]  11.53,91.78 180 top
R494  240  [0805]  13.54,99.22 180 top
R495  240  [0805]  32.94,81.21 90 top
R496  240  [0805]  29.1,91.6 180 top
R497  240  [0805]  28.91,99.41 0 top
R498  1k  [0805]  22.38,66.68 90 top
R499  1k  [0805]  22.11,63.66 90 top
R500  10k  [0805]  18.78,60.17 0 top
R501  1k  [0805]  4.65,59.85 270 top
R502  1k  [0805]  4.49,54.77 270 top
R503  1k  [0805]  4.49,49.69 270 top
R504  1k  [0805]  4.33,44.61 270 top
R505  30k  [0805]  13.87,63.26 90 top
R506  10k  [0805]  8.46,88.9 180 bottom
R507  10k  [0805]  8.46,86.36 180 bottom
R508  10k  [0805]  8.46,91.13 180 bottom
R509  10k  [0805]  26.82,45.62 0 bottom
R510  30k  [0805]  15.47,63.26 90 top
R511  15k  [0805]  12.3,63.26 90 top
R512  1k  [0805]  22.81,69.71 90 top
R513  4.7k  [0805]  24.97,53.34 0 bottom
R514  2K  [0805]  7.67,67.31 90 top
R515  2K  [0805]  7.67,71.12 90 top
R516  0.05  [R2512]  31.77,82.03 90 bottom
R517  4.7k  [0805]  61.48,59.06 0 bottom
R518  4.7k  [0805]  61.48,57.15 0 bottom
R519  4.7k  [0805]  61.48,55.25 0 bottom
R520  240  [0805]  47.32,83.14 180 top
R521  240  [0805]  48.04,91.78 180 top
R522  240  [0805]  50.05,99.22 180 top
R523  240  [0805]  69.46,81.21 90 top
R524  240  [0805]  65.61,91.6 180 top
R525  240  [0805]  65.43,99.41 0 top
R526  1k  [0805]  58.89,66.68 90 top
R527  1k  [0805]  58.63,63.66 90 top
R528  10k  [0805]  55.29,60.17 0 top
R529  1k  [0805]  41.16,59.85 270 top
R530  1k  [0805]  41,54.77 270 top
R531  1k  [0805]  41,49.69 270 top
R532  1k  [0805]  40.85,44.61 270 top
R533  30k  [0805]  50.38,63.26 90 top
R534  10k  [0805]  44.97,88.9 180 bottom
R535  10k  [0805]  44.97,86.36 180 bottom
R536  10k  [0805]  44.97,91.13 180 bottom
R537  10k  [0805]  63.33,45.62 0 bottom
R538  30k  [0805]  51.98,63.26 90 top
R539  15k  [0805]  48.82,63.26 90 top
R540  1k  [0805]  59.32,69.71 90 top
R541  4.7k  [0805]  61.48,53.34 0 bottom
R542  2K  [0805]  44.18,67.31 90 top
R543  2K  [0805]  44.18,71.12 90 top
R544  0.05  [R2512]  68.28,82.03 90 bottom
R545  4.7k  [0805]  98.31,59.06 0 bottom
R546  4.7k  [0805]  98.31,57.15 0 bottom
R547  4.7k  [0805]  98.31,55.25 0 bottom
R548  240  [0805]  84.15,83.14 180 top
R549  240  [0805]  84.87,91.78 180 top
R550  240  [0805]  86.88,99.22 180 top
R551  240  [0805]  106.29,81.21 90 top
R552  240  [0805]  102.44,91.6 180 top
R553  240  [0805]  102.26,99.41 0 top
R554  1k  [0805]  95.72,66.68 90 top
R555  1k  [0805]  95.46,63.66 90 top
R556  10k  [0805]  92.12,60.17 0 top
R557  1k  [0805]  77.99,59.85 270 top
R558  1k  [0805]  77.83,54.77 270 top
R559  1k  [0805]  77.83,49.69 270 top
R560  1k  [0805]  77.68,44.61 270 top
R561  30k  [0805]  87.21,63.26 90 top
R562  10k  [0805]  81.8,88.9 180 bottom
R563  10k  [0805]  81.8,86.36 180 bottom
R564  10k  [0805]  81.8,91.13 180 bottom
R565  10k  [0805]  100.16,45.62 0 bottom
R566  30k  [0805]  88.81,63.26 90 top
R567  15k  [0805]  85.65,63.26 90 top
R568  1k  [0805]  96.15,69.71 90 top
R569  4.7k  [0805]  98.31,53.34 0 bottom
R570  2K  [0805]  81.01,67.31 90 top
R571  2K  [0805]  81.01,71.12 90 top
R572  0.05  [R2512]  105.11,82.03 90 bottom
RBG  2.49k  [0805]  200.75,44.85 0 top
RBG1  2.49k  [0805]  176.56,257.01 180 top
RSENSE  10m  [R2512]  183.29,56.28 270 top
RSENSE1  10m  [R2512]  194.02,245.58 90 top
RVOUT  50.4k  [0805]  200.75,48.66 180 top
RVOUT1  50.4k  [0805]  176.56,253.2 0 top
RX  TEST_PT  [TESTING_PT]  107.22,272.82 90 top
RX1  TEST_PT  [TESTING_PT]  74.2,272.82 90 top
RX2  TEST_PT  [TESTING_PT]  41.81,272.82 90 top
S1  TAC_SWITCHSMD  [TACTILE-SWITCH-SMD]  96.45,236.5 180 top
S2  TAC_SWITCHSMD  [TACTILE-SWITCH-SMD]  51.81,236.5 180 top
S3  TAC_SWITCHSMD  [TACTILE-SWITCH-SMD]  84.83,236.5 180 top
S4  TAC_SWITCHSMD  [TACTILE-SWITCH-SMD]  63.43,236.5 180 top
S5  TAC_SWITCHSMD  [TACTILE-SWITCH-SMD]  19.43,236.5 180 top
S6  TAC_SWITCHSMD  [TACTILE-SWITCH-SMD]  31.04,236.5 180 top
S11  TAC_SWITCHSMD  [TACTILE-SWITCH-SMD]  51.22,12.29 270 top
S17  TAC_SWITCHSMD  [TACTILE-SWITCH-SMD]  27.76,172.31 0 top
S18  TAC_SWITCHSMD  [TACTILE-SWITCH-SMD]  64.28,172.31 0 top
S19  TAC_SWITCHSMD  [TACTILE-SWITCH-SMD]  101.11,172.31 0 top
S24  TAC_SWITCHSMD  [TACTILE-SWITCH-SMD]  27.76,109.12 0 top
S25  TAC_SWITCHSMD  [TACTILE-SWITCH-SMD]  64.28,109.12 0 top
S26  TAC_SWITCHSMD  [TACTILE-SWITCH-SMD]  101.11,109.12 0 top
S31  TAC_SWITCHSMD  [TACTILE-SWITCH-SMD]  27.76,45.94 0 top
S32  TAC_SWITCHSMD  [TACTILE-SWITCH-SMD]  64.28,45.94 0 top
S33  TAC_SWITCHSMD  [TACTILE-SWITCH-SMD]  101.11,45.94 0 top
SWITCH_Q  [DPAK]  189.32,48.66 90 top
SWITCH_Q1  [DPAK]  187.99,253.2 270 top
TX  TEST_PT  [TESTING_PT]  107.22,275.36 90 top
TX1  TEST_PT  [TESTING_PT]  74.2,275.36 90 top
TX2  TEST_PT  [TESTING_PT]  41.81,275.36 90 top
U$1  FAN31111  [SOT23-5]  231.17,250.02 270 top
U$2  32052-TRANSFORMER  [10-TRANSFORMER]  135.28,263.36 0 top
U$3  4-POS-DIP  [4-POS-DIP-SMD]  84.99,260.75 270 top
U$4  INDUCTOR  [0805]  84.44,238.06 270 bottom
U$5  4-POS-DIP  [4-POS-DIP-SMD]  51.97,260.75 270 top
U$6  INDUCTOR  [0805]  51.42,238.06 270 bottom
U$7  FAN31111  [SOT23-5]  232.44,262.09 270 top
U$8  IXTA3N50D2  [TO-263]  165.76,276.69 0 bottom
U$9  ZTX718  [TO92]  146.71,284.31 270 top
U$10  VO1400AEFTR  [SOP4]  146.71,257.64 0 bottom
U$11  1N4007  [THROUGH-HOLE-2]  133.38,274.79 45 top
U$12  MOTORCON  [GEN3CON]  120.04,217 270 bottom
U$13  MOTORCON  [GEN3CON]  257.2,234.15 90 bottom
U$14  MOTORCON  [GEN3CON]  256.57,208.75 90 bottom
U$15  MCP9700SMD  [SOT23-3]  87.11,34.03 90 bottom
U$16  DRV8307  [QFN40-6X6]  74.49,26.2 270 top
U$17  MCP9700SMD  [SOT23-3]  6.02,208.2 0 bottom
U$18  DRV8307  [QFN40-6X6]  13.86,195.58 0 top
U$19  INDUCTOR  [0805]  5.23,173.6 0 bottom
U$20  MCP9700SMD  [SOT23-3]  42.54,208.2 0 bottom
U$21  DRV8307  [QFN40-6X6]  50.37,195.58 0 top
U$22  INDUCTOR  [0805]  41.75,173.6 0 bottom
U$23  MCP9700SMD  [SOT23-3]  79.37,208.2 0 bottom
U$24  DRV8307  [QFN40-6X6]  87.2,195.58 0 top
U$25  INDUCTOR  [0805]  78.58,173.6 0 bottom
U$26  INDUCTOR  [0805]  52.51,34.82 90 bottom
U$27  MOTORCON  [GEN3CON]  119.85,196.68 270 bottom
U$28  13VZENER  [THROUGH-HOLE-2]  241.33,274.79 135 top
U$29  INDUCTOR  [0805]  150.07,260.51 270 bottom
U$30  4-POS-DIP  [4-POS-DIP-SMD]  19.59,260.75 270 top
U$31  INDUCTOR  [0805]  19.04,238.06 270 bottom
U$32  FAN31111  [SOT23-5]  146.14,51.84 90 top
U$33  32052-TRANSFORMER  [10-TRANSFORMER]  242.03,38.5 180 top
U$34  FAN31111  [SOT23-5]  144.87,39.77 90 top
U$35  IXTA3N50D2  [TO-263]  211.55,25.17 180 bottom
U$36  ZTX718  [TO92]  230.6,17.55 90 top
U$37  VO1400AEFTR  [SOP4]  230.6,44.22 180 bottom
U$38  MCP9700SMD  [SOT23-3]  6.02,145.02 0 bottom
U$39  DRV8307  [QFN40-6X6]  13.86,132.4 0 top
U$40  INDUCTOR  [0805]  5.23,110.42 0 bottom
U$41  MCP9700SMD  [SOT23-3]  42.54,145.02 0 bottom
U$42  DRV8307  [QFN40-6X6]  50.37,132.4 0 top
U$43  INDUCTOR  [0805]  41.75,110.42 0 bottom
U$44  MCP9700SMD  [SOT23-3]  79.37,145.02 0 bottom
U$45  DRV8307  [QFN40-6X6]  87.2,132.4 0 top
U$46  INDUCTOR  [0805]  78.58,110.42 0 bottom
U$47  1N4007  [THROUGH-HOLE-2]  243.93,27.07 225 top
U$48  MOTORCON  [GEN3CON]  257.27,84.86 90 bottom
U$49  MOTORCON  [GEN3CON]  120.11,67.71 270 bottom
U$50  MOTORCON  [GEN3CON]  120.74,93.11 270 bottom
U$51  MOTORCON  [GEN3CON]  257.46,105.18 90 bottom
U$52  13VZENER  [THROUGH-HOLE-2]  135.98,27.07 315 top
U$53  INDUCTOR  [0805]  227.24,41.35 90 bottom
U$59  MCP9700SMD  [SOT23-3]  6.02,81.84 0 bottom
U$60  DRV8307  [QFN40-6X6]  13.86,69.22 0 top
U$61  INDUCTOR  [0805]  5.23,47.24 0 bottom
U$62  MCP9700SMD  [SOT23-3]  42.54,81.84 0 bottom
U$63  DRV8307  [QFN40-6X6]  50.37,69.22 0 top
U$64  INDUCTOR  [0805]  41.75,47.24 0 bottom
U$65  MCP9700SMD  [SOT23-3]  79.37,81.84 0 bottom
U$66  DRV8307  [QFN40-6X6]  87.2,69.22 0 top
U$67  INDUCTOR  [0805]  78.58,47.24 0 bottom
XBEE  XBEE-1B1  [XBEE-1]  93.88,291.23 180 top
XBEE1  XBEE-1B1  [XBEE-1]  60.86,291.23 180 top
XBEE2  XBEE-1B1  [XBEE-1]  28.48,291.23 180 top